# Altium PCB testjig-v1.PCBDOC (part 1 of 3) (continued)
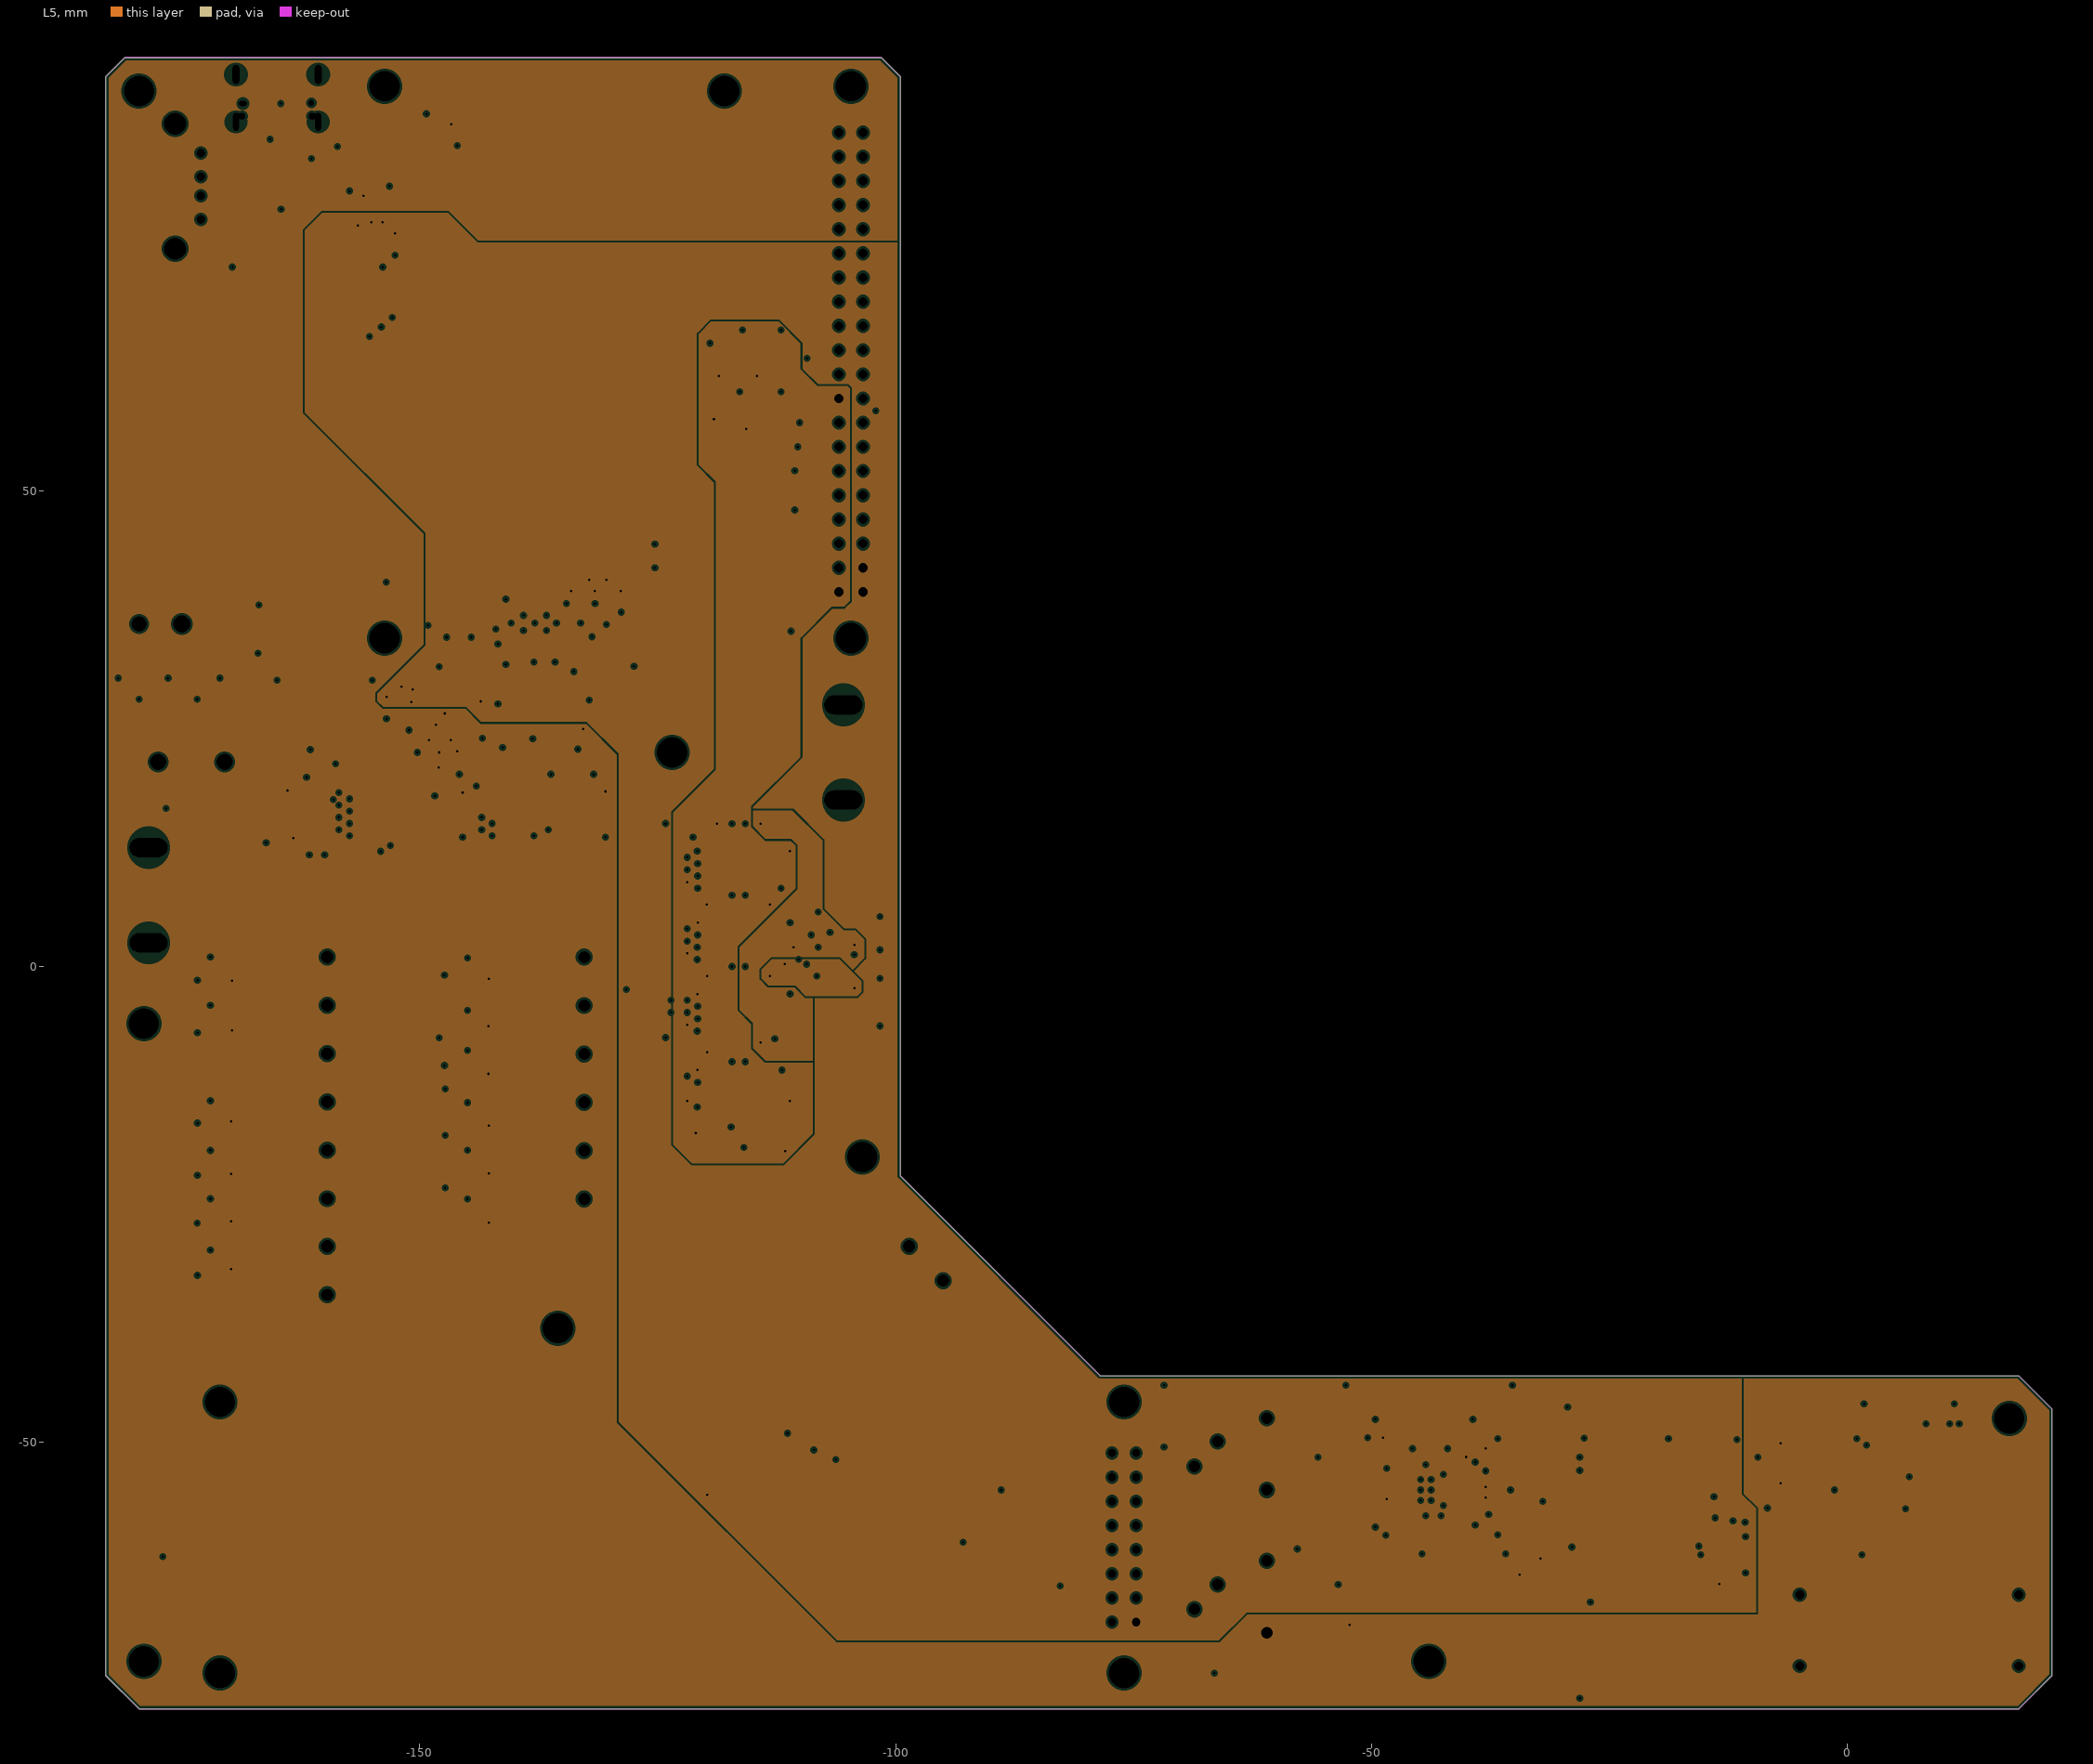
[diagram p3: L5, clearances drawn from the general rule]

## Layer stack, top to bottom
TopSolder: solder mask 0.0102, Solder Resist, Dk 3.5
L1: signal copper 0.045
Dielectric1: core 0.09, FR-4, Dk 4.3
L2: plane copper 0.0356, net GND
Dielectric4: prepreg 1.3, FR-4, Dk 4.3
L5: plane copper 0.0356, net (Multiple Nets)
Dielectric5: core 0.09, FR-4, Dk 4.2
L6: signal copper 0.045
BottomSolder: solder mask 0.0102, Solder Resist, Dk 3.5

## Board outline
-183,-74.5 -183,93.5 -181,95.5 -101.5,95.5 -99.5,93.5 -99.5,-22 -78.5,-43 18,-43 21.5,-46.5 21.5,-74.5 18,-78 -179.5,-78

## Design rules (kind name [scope] priority, off if disabled: settings)
BoardOutlineClearance [All] p1: gap=0.5 ignorepadtopadclearanceinfootprint=FALSE except(0: Arc-SplitContinuation Track-SplitContinuation SMDPad-SplitContinuation THPad-SplitContinuation Via-SplitContinuation Fill-SplitContinuation Poly-SplitContinuation Region-SplitContinuation Text-SplitContinuation)
Clearance Clearance_poly_Z [InPolygon vs InNetClass('B0_SE40') OR InNetClass('B1_SE40') OR InNetClass('B2_SE40') OR InNetClass('B3_SE40') OR InNetClass('SE40') OR InNetClass('SE45_HAX') OR InNetClass('ETH')] p1: gap=0.7 ignorepadtopadclearanceinfootprint=FALSE // polygon to impedance controlled line
Clearance Clearance_poly_diff [InPolygon vs (InDifferentialPairClass('All Differential Pairs'))] p2: gap=0.8 ignorepadtopadclearanceinfootprint=FALSE // Polygon to diff pair rule
Clearance "Basic Clearance_SE_Z" [(InNetClass('B0_SE40') OR InNetClass('B1_SE40') OR InNetClass('B2_SE40') OR InNetClass('B3_SE40') OR InNetClass('SE40') OR InNetClass('SE45_HAX'))] p3: gap=0.09 ignorepadtopadclearanceinfootprint=FALSE // basic clearance rule
Clearance Clearance_NPTH [(PadIsPlated = 'False') And (IsFree = 'True')] p4: gap=1.4 ignorepadtopadclearanceinfootprint=FALSE
Clearance Clearance_NPTH_1 [PadIsPlated = 'False'] p5: gap=0.3 ignorepadtopadclearanceinfootprint=FALSE
Clearance "Clearance_Edge Connector" [(InComponentClass('Edge Connector')) vs (InComponentClass('Edge Connector'))] p6: gap=0.2 ignorepadtopadclearanceinfootprint=FALSE except(0: Arc-Hole Track-Hole SMDPad-Hole THPad-Hole Via-Hole Fill-Hole Poly-Hole Region-Hole Text-Hole)
Clearance "Basic Clearance" [All] p7: gap=0.12 ignorepadtopadclearanceinfootprint=FALSE except(0.2: Arc-Poly Arc-Region Arc-Hole Track-Poly Track-Region Track-Hole SMDPad-Poly SMDPad-Region SMDPad-Hole THPad-Poly THPad-Region THPad-Hole Via-Poly Via-Region Via-Hole Fill-Poly Fill-Region Fill-Hole Poly-Poly Poly-Region Poly-Hole Region-Region Region-Hole Text-Hole) // basic clearance rule
Clearance Clearance_internal_plane [InPolygon] p8: gap=0.2 ignorepadtopadclearanceinfootprint=FALSE
ComponentClearance [All] p1 off: gap=0.254 collisioncheckmode=3 verticalgap=0.254 showdistances=FALSE
DiffPairsRouting DiffPairsRouting_PCIE [InDifferentialPairClass('PCIE')] p1: maxlimit=0.2 minlimit=0.14 mostfreqgap=0.14 toplayer_minwidth=0.1 toplayer_maxwidth=0.15 toplayer_prefwidth=0.13 bottomlayer_minwidth=0.1 bottomlayer_maxwidth=0.15 bottomlayer_prefwidth=0.13 maxuncoupledlength=12
DiffPairsRouting DiffPairsRouting_100DP [(InNetClass('HDMI_CNR') OR InNetClass('HDMI_TX'))] p2: maxlimit=0.25 minlimit=0.1 mostfreqgap=0.2 toplayer_minwidth=0.099 toplayer_maxwidth=0.18 toplayer_prefwidth=0.099 bottomlayer_minwidth=0.099 bottomlayer_maxwidth=0.18 bottomlayer_prefwidth=0.099 maxuncoupledlength=6 // 100 ohm DP rule
DiffPairsRouting DiffPairsRouting_90DP [InDifferentialPair('USB_D') OR InDifferentialPairClass('HAX_DP') OR InDifferentialPairClass('PCI_DP') OR InDifferentialPairClass('USB')] p3: maxlimit=0.25 minlimit=0.13 mostfreqgap=0.13 toplayer_minwidth=0.111 toplayer_maxwidth=0.225 toplayer_prefwidth=0.111 bottomlayer_minwidth=0.111 bottomlayer_maxwidth=0.225 bottomlayer_prefwidth=0.111 maxuncoupledlength=6 // 90 ohm diff pair
DiffPairsRouting DiffPairsRouting_80DP [InDifferentialPair('DDR3_CK') OR InDifferentialPair('DDR3_DQS0') OR InDifferentialPair('DDR3_DQS1') OR InDifferentialPair('DDR3_DQS2') OR InDifferentialPair('DDR3_DQS3') OR InDifferentialPair('REFCLK')] p4: maxlimit=0.25 minlimit=0.1 mostfreqgap=0.14 toplayer_minwidth=0.1 toplayer_maxwidth=0.235 toplayer_prefwidth=0.13 bottomlayer_minwidth=0.1 bottomlayer_maxwidth=0.235 bottomlayer_prefwidth=0.13 maxuncoupledlength=6 // 80ohm DP rule
DiffPairsRouting DiffPairsRouting_generic [All] p5: maxlimit=0.25 minlimit=0.2 mostfreqgap=0.2 toplayer_minwidth=0 toplayer_maxwidth=0.18 toplayer_prefwidth=0.1 bottomlayer_minwidth=0 bottomlayer_maxwidth=0.18 bottomlayer_prefwidth=0.1 maxuncoupledlength=6 // basic diff pair rule
FabricationTestPointUsage TestPointUsage [All] p1: valid=0 allowmultiple=FALSE
FabricationTestpoint Testpoint [All] p1: side=3 testpointundercomponent=TRUE minsize=1.016 maxsize=2.54 preferedsize=1.524 minholesize=0.508 maxholesize=1.016 preferedholesize=0.813 testpointgrid=0.025 allowsidetop=TRUE allowsidebottom=TRUE usegrid=TRUE gridtolerance=0
Height "PCI Express Mini, \"Component height constraints\", Page 18, bottom side" [OnBottomLayer] p1: minheight=0 maxheight=1.35 prefheight=1.35
Height "PCI Express Mini, \"Component height constraints\", Page 18, top side" [OnTopLayer] p2: minheight=0 maxheight=2.4 prefheight=2.4
Height "PCI Express, Page 84, \"Component Height Constraints\" for solder side" [OnBottomLayer] p3: minheight=0 maxheight=2.67 prefheight=2.67
Height "PCI Express, Page 84, \"Component Height Constraints\" for component side" [OnTopLayer] p4: minheight=0 maxheight=14.47 prefheight=14.47
HoleSize [All] p1: absolutevalues=TRUE maxlimit=3 minlimit=0.25 maxpercent=80.000 minpercent=20.000
HoleToHoleClearance [All] p1: gap=0.2 allowstackedmicrovias=TRUE
MatchedLengths MatchedLengths_DDR_CLOCKS_STROBES [InxSignalClass('ADDR_PP1_1') OR InxSignalClass('ADDR_PP2_1') OR InxSignalClass('DATA_BL0_1') OR InxSignalClass('DATA_BL1_1') OR InxSignalClass('DATA_BL2_1') OR InxSignalClass('DATA_BL3_1')] p1: tolerance=0.6 checknetsindiffpair=TRUE checkdiffpairvsdiffpair=FALSE checkxsignals=FALSE checkothers=FALSE
MatchedLengths MatchedLengths_DATA_BL3_1 [InxSignalClass('DATA_BL3_1')] p2: tolerance=5 checknetsindiffpair=FALSE checkdiffpairvsdiffpair=TRUE checkxsignals=TRUE checkothers=TRUE
MatchedLengths MatchedLengths_DATA_BL2_1 [InxSignalClass('DATA_BL2_1')] p3: tolerance=5 checknetsindiffpair=FALSE checkdiffpairvsdiffpair=TRUE checkxsignals=TRUE checkothers=TRUE
MatchedLengths MatchedLengths_DATA_BL1_1 [InxSignalClass('DATA_BL1_1')] p4: tolerance=5 checknetsindiffpair=FALSE checkdiffpairvsdiffpair=TRUE checkxsignals=TRUE checkothers=TRUE
MatchedLengths MatchedLengths_DATA_BL0_1 [InxSignalClass('DATA_BL0_1')] p5: tolerance=5 checknetsindiffpair=FALSE checkdiffpairvsdiffpair=TRUE checkxsignals=TRUE checkothers=TRUE
MatchedLengths MatchedLengths_ADDR_PP2_1 [InxSignalClass('ADDR_PP2_1')] p6: tolerance=6 checknetsindiffpair=FALSE checkdiffpairvsdiffpair=TRUE checkxsignals=TRUE checkothers=TRUE
MatchedLengths MatchedLengths_ADDR_PP1_1 [InxSignalClass('ADDR_PP1_1')] p7: tolerance=6 checknetsindiffpair=FALSE checkdiffpairvsdiffpair=TRUE checkxsignals=TRUE checkothers=TRUE
MinimumAnnularRing [All] p1: minimumring=0.05
MinimumSolderMaskSliver [All] p1: minsoldermaskwidth=0.07
PlaneClearance [All] p1: clearance=0.25
PlaneConnect [All] p1: planeconnectstyle=Direct reliefexpansion=0.508 reliefentries=4 reliefconductorwidth=0.254 reliefairgap=0.254
PolygonConnect [All] p1: thpad.connectstyle=Relief thpad.reliefconductorwidth=0.3 thpad.reliefentries=4 thpad.polygonreliefangle="90 Angle" thpad.airgapwidth=0.2 smdpad.connectstyle=Relief smdpad.reliefconductorwidth=0.3 smdpad.reliefentries=4 smdpad.polygonreliefangle="45 Angle" smdpad.airgapwidth=0.15 via.connectstyle=Direct via.reliefconductorwidth=0.25 via.reliefentries=4 via.polygonreliefangle="90 Angle" via.airgapwidth=0.15
RoomDefinition interfaces [InComponentClass('interfaces')] p1 off: confinementstyle=ConfineIn formatcopy=TRUE lockcomponents=FALSE outline -103,-36.8 198.999,-36.8 198.999,67.2 -103,67.2
RoomDefinition testcore [InComponentClass('testcore')] p2 off: confinementstyle=ConfineIn formatcopy=TRUE lockcomponents=FALSE outline -93,6.332 -87.5,6.332 -87.5,48.759 -93,48.759
RoutingTopology RoutingTopology_DDRAddressAndControls [InNetClass('DDR_AddressAndControls')] p1: topology=Daisy_Simple
RoutingTopology [All] p2: topology=Shortest
RoutingVias [All] p1: holewidth=0.25 width=0.5 viastyle="Through Hole" minholewidth=0.25 minwidth=0.5 maxholewidth=0.35 maxwidth=0.7
ShortCircuit ShortCircuit_mounting [InComponent('P10X') or InComponent('P11X') vs OnLayer('KeepOutLayer')] p1: allowed=TRUE
ShortCircuit [All] p2: allowed=FALSE
SilkToSilkClearance [All] p1 off: silktosilkclearance=0.254
SilkToSolderMaskClearance SilkscreenOverComponentPads [IsPad] p1 off: minsilkscreentomaskgap=0.254 clearancetoexposedcopper=TRUE
SolderMaskExpansion [All] p1: expansion=0.07 istentingtop=FALSE
SupplyNets SupplyNets_3 [InNet('VTT')] p1: voltage=750.0m
SupplyNets SupplyNets_2 [InNet('P1.5V_IO')] p2: voltage=1.500
SupplyNets SupplyNets_1 [InNet('P1.5V_D')] p3: voltage=1.500
SupplyNets [InNet('P1.5V')] p4: voltage=1.500
Width Width_45SE [(InNetClass('B0_SE40') OR InNetClass('B1_SE40') OR InNetClass('B2_SE40') OR InNetClass('B3_SE40') OR InNetClass('SE40') OR InNetClass('SE45_HAX'))] p1: maxlimit=2 minlimit=0.11 preferedwidth=0.12 minimp=50.000000 maximp=50.000000 favimp=50.000000 // 45 ohm SE rule
Width Width_basic [All] p2: maxlimit=5 minlimit=0.12 preferedwidth=0.15 minimp=50.000000 maximp=50.000000 favimp=50.000000
16 further rules are at their usual default settings.

## Classes and differential pairs
component class interfaces: C35 C36 C37 C38 C39 C40 C41 C42 C43 C44 C45 C46 C47 C48 NT1 NT2 P13 P14 P15 P16 P17 Q7 Q8 Q9 Q10 Q11 R60 R61 R63 R64 R65 R66 R67 R68 R69 R70 R71 R72 R73 R74 R75 R76 R77 U12 U13 U14 U15 U16
component class testcore: C1 C2 C3 C4 C5 C6 C7 C8 C9 C10 C11 C12 C13 C14 C15 C16 C17 C18 C19 C20 C21 C22 C23 C24 C25 C26 C27 C29 C30 C31 C32 C33 C34 D1 D2 D3 D4 D5 D6 D7 D8 D9 D10 D11 D12 D13 D14 D15 D16 D17 D18 D19 J1 JP1 L1 L2 NT10T P1 P3 P4 P5 P6 P7 P8 P9 P10 P11 P12 Q1 Q2 Q3 Q4 Q5 Q6 R1 R2 R3 R4 R5 R6 R7 R8 R9 R10 R11 R12 R13 R14 R15 R16 R17 R18 R19 R20 R21 R22 R23 R24 R25 R26 R27 R28 R29 R30 R31 R32 R33 R34 R35 R36 R37 R38 R39 R40 R41 R42 R43 R44 R45 R46 R47 R48 R49 R50 R51 R52 R53 R54 R55 R56 R57 R58 R59 R62 U1 U2 U3 U4 U5 U6 U7 U8 U9 U10 U11
differential pair USBC: +USBC_P -USBC_N

## Components (designator, comment, footprint, x,y, rotation, side; value= is the part's Value field where it differs from the comment)
C1 "0.1uF, 25V, X7R" B_CAP0603 -147.5,16 r270 top
C2 "10uF, 25V, X5R" B_CAP0805 -130.5,16 r270 top
C3 "22uF, 10V, X5R, 20%" B_CAP0805 -39.1,-56.4 r270 top
C4 "22uF, 10V, X5R, 20%" B_CAP0805 -39.1,-51.8 r270 top
C5 "22uF, 10V, X5R, 20%" B_CAP0805 -35.6,-50.9 r180 top
C6 "22uF, 10V, X5R, 20%" B_CAP0805 -35.6,-58.4 r180 top
C7 "10uF, 25V, X5R" B_CAP0805 -21.5,-49.6 r180 top
C8 "0.1uF, 25V, X7R" B_CAP0603 -12.7,-63.7 r0 top
C9 "0.1uF, 25V, X7R" B_CAP0603 -132.5,16 r270 top
C10 "10uF, 25V, X5R" B_CAP0805 -145.5,16 r270 top
C11 "0.1uF, 25V, X7R" B_CAP0603 -8.4,-50.9 r270 top
C12 "0.1uF, 25V, X7R" B_CAP0603 -8.4,-55.1 r270 top
C13 "10uF, 25V, X5R" B_CAP0805 -172.7,14.3 r180 top
C14 "DNP" B_CAP0603 -137.9,20.2 r0 top
C15 "10uF, 25V, X5R" B_CAP0805 -173.6,92.4 r0 top
C16 "10uF, 25V, X5R" B_CAP0805 -153.9,75.88 r90 top
C17 "10uF, 25V, X5R" B_CAP0805 -159.8,81.5 r180 top
C18 "0.1uF, 25V, X7R" B_CAP0603 -148.5,88.5 r180 top
C19 "0.1uF, 25V, X7R" B_CAP0603 -155.1,82 r0 top
C20 "DNP" B_CAP0603 -144,20.2 r180 top
C21 "10pF, 50V, NP0" B_CAP0603 -139.3,29 r180 top
C22 "47uF, 25V, 20%" CAPAE7066X61N -165,35.5 r270 top
C23 "10uF, 25V, X5R" B_CAP0805 -147.2,37 r90 top
C24 "10uF, 25V, X5R" B_CAP0805 -144.6,37 r90 top
C25 "0.1uF, 25V, X7R" B_CAP0603 -142,37.5 r270 top
C26 "10uF, 25V, X5R" B_CAP0805 -151.93,27.2 r270 top
C27 "10uF, 25V, X5R" B_CAP0805 -149.1,23.8 r180 top
C29 "0.033uF, 50V, X7R" B_CAP0603 -143.43,25.85 r90 top
C30 "0.1uF, 25V, X7R" B_CAP0603 -139.6,42.5 r270 top
C31 "22uF, 10V, X5R, 20%" B_CAP0805 -133,38.3 r270 top
C32 "22uF, 10V, X5R, 20%" B_CAP0805 -130.4,38.3 r270 top
C33 "3300pF, 50V, X7R" B_CAP0603 -133.8,34.1 r90 top
C34 "1.0uF, 16V, X5R" B_CAP0603 -135.8,31 r0 top
C35 "10uF, 25V, X5R" B_CAP0805 -110.5,-1 r0 top
C36 "10uF, 25V, X5R" B_CAP0805 -110.5,2.025 r0 top
C37 "0.1uF, 25V, X7R" B_CAP0603 6.1,-58.975 r90 top
C38 "10uF, 25V, X5R" B_CAP0805 -111,38 r270 top
C39 "0.1uF, 25V, X7R" B_CAP0603 -118,-9 r0 top
C40 "0.1uF, 25V, X7R" B_CAP0603 -118,-1 r0 top
C41 "0.1uF, 25V, X7R" B_CAP0603 -118,6.5 r0 top
C42 "0.1uF, 25V, X7R" B_CAP0603 -118,14 r0 top
C43 "0.1uF, 25V, X7R" B_CAP0603 -49.6,-50.65 r180 top
C44 "0.1uF, 25V, X7R" B_CAP0603 -115,6.5 r180 top
C45 "0.1uF, 25V, X7R" B_CAP0603 -115,-1 r180 top
C46 "0.1uF, 25V, X7R" B_CAP0603 -115,-9 r180 top
C47 "0.1uF, 25V, X7R" B_CAP0603 -115,14 r180 top
C48 "10uF, 25V, X5R" B_CAP0805 -69,-74.25 r0 top
D1 "CSA2K-E3/I" DSO-C2/X1.8 -21.5,-60.2 r180 top
D2 "CSA2K-E3/I" DSO-C2/X1.8 -21.5,-56.6 r0 top
D3 "CSA2K-E3/I" DSO-C2/X1.8 -21.5,-63.9 r0 top
D4 "CSA2K-E3/I" DSO-C2/X1.8 -21.5,-53 r180 top
D5 "B340A-13-F" DSO-C2/X1.8 -30.2,-63.9 r180 top
D6 "NSR0530HT1G" SOD-323 -170.86,-20.6 r270 top
D7 "NSR0530HT1G" SOD-323 -134,26 r0 top
D8 "NSR0530HT1G" SOD-323 -170.86,-25.6 r270 top
D9 "NSR0530HT1G" SOD-323 -143.79,-25.725 r270 top
D10 "NSR0530HT1G" SOD-323 -170.86,-15.1 r270 top
D11 "NSR0530HT1G" SOD-323 -143.86,-10.1 r270 top
D12 "NSR0530HT1G" SOD-323 -170.79,-0.3 r270 top
D13 "NSR0530HT1G" SOD-323 -143.79,-15.55 r270 top
D14 "NSR0530HT1G" SOD-323 -170.79,-5.55 r270 top
D15 "NSR0530HT1G" SOD-323 -143.86,-0.1 r270 top
D16 "NSR0530HT1G" SOD-323 -143.79,-20.55 r270 top
D17 "NSR0530HT1G" SOD-323 -143.86,-5.1 r270 top
D18 "NSR0530HT1G" SOD-323 -170.86,-30.6 r270 top
D19 "white LED" B_LED0805 -180,-64 r90 top
J1 "CUI SJ-43515TS-SMT" CUI_SJ_43515TS-SMT -177.5,21.5 r180 top
JP1 "2.1mm x 5.5mm DC jack" CUI_PJ_002AH_SMT -175,36 r0 top
L1 "1.0uH SRP4030FA-1R0M" COILCRAFT_XEL4030 -35.5,-55 r0 top
L2 "3.3uH SRP4030FA-3R3M" COILCRAFT_XEL4030 -136,42.8 r0 top
P1 "1716060000" weidmuller_1716060000 -95,-33 r135 top
P3 "AUK USB-1X04-SR-BK-S-H" USB_TYPEA_TH_SINGLE -173,82 r270 top
P4 "1716060000" weidmuller_1716060000 -159.72,-34.5 r90 top
P5 "1716060000" weidmuller_1716060000 -159.72,-24.4 r90 top
P6 "1716060000" weidmuller_1716060000 -159.72,-14.24 r90 top
P7 "USB Type C Female Connector" HIROSE_CX90B1-24P -165,90.75 r180 top
P8 "1716060000" weidmuller_1716060000 -159.72,-4.08 r90 top
P9 "1716060000" weidmuller_1716060000 -132.72,-24.42 r90 top
P10 "1716060000" weidmuller_1716060000 -132.72,-14.26 r90 top
P11 "1716060000" weidmuller_1716060000 -132.72,-4.1 r90 top
P12 "SW-NO" CK_KS11R22CQD -61,-55 r0 top
P13 "Male 2.54mm 8x2 shrouded header" ER_OLED_M032_1 -76,-60 r0 top
P14 "SW-NO" CK_KS11R22CQD -61,-70 r0 top
P15 "26-pin FPC" HRS_FH34SRJ-26S-0.5SH(50) 5.5,-47 r180 top
P16 "26-pin FPC" HRS_FH34SRJ-26S-0.5SH(50) -103,0 r90 top
P17 "Header 20X2" SAMTEC_SSW-120-01-F-D -103.43,39.37 r90 top
Q1 "Si8425DB" VISHAY_MICRO_FOOT_4_BUMP -32.4,-59.3 r270 top
Q2 "DMG1012UW-7" SOT323-3AN -30.2,-52.3 r180 top
Q3 "DMG1012UW-7" SOT323-3AN -28.3,-47.4 r90 top
Q4 "Si8425DB" VISHAY_MICRO_FOOT_4_BUMP -160.8,75.18 r180 top
Q5 "Si8425DB" VISHAY_MICRO_FOOT_4_BUMP -160.8,78.28 r180 top
Q6 "DMG1012UW-7" SOT323-3AN -166.35,75.43 r0 top
Q7 "DMG1012UW-7" SOT323-3AN -117.05,65.5 r180 top
Q8 "DMG1012UW-7" SOT323-3AN -113,65.5 r180 top
Q9 "DMG1012UW-7" SOT323-3AN -117.5,59 r180 top
Q10 "DMG1012UW-7" SOT323-3AN -113,59 r180 top
Q11 "DMG1012UW-7" SOT323-3AN -115,-17.5 r0 top
R1 "22 Ohm 1%" B_RES1206 -26.9,-58.2 r90 top
R2 "10k, 1%" B_RES0603 -56.7,-52.35 r90 top
R3 "100 mOhm 1%" B_RES1206 -29.6,-58.2 r90 top
R4 "100k, 1%" B_RES0603 -24.6,-66.8 r180 top
R5 "100k, 1%" B_RES0603 -49.6,-56.9 r90 top
R6 "523k, 1%" B_RES0603 -51.4,-56.9 r270 top
R7 "10k, 1%" B_RES0603 -31.9,-49.5 r0 top
R8 "383k, 1%" B_RES0603 -46.5,-59.7 r180 top
R9 "1M, 1%" B_RES0603 -49.6,-53.2 r90 top
R10 "4.7k, 1%" B_RES0603 -53.3,-56.9 r270 top
R11 "4.7k, 1%" B_RES0603 -27,-52.3 r270 top
R12 "1M, 1%" B_RES0603 -51.4,-53.2 r270 top
R13 "100k, 1%" B_RES0603 -31.9,-46.3 r0 top
R14 "5.1k, 1%" B_RES0603 -164,14.5 r0 top
R15 "5.1k, 1%" B_RES0603 -168,14.5 r0 top
R16 "100k, 1%" B_RES0603 -15.1,-54.975 r270 top
R17 "100 ohm" B_RES0603 -168,13 r180 top
R18 "0 ohm" B_RES0603 -137.9,22 r180 top
R19 "10k, 1%" B_RES0603 -160,13.6 r90 top
R20 "10k, 1%" B_RES0603 -161.6,13.6 r90 top
R21 "10k, 1%" B_RES0603 -160.7,21.3 r180 top
R22 "100k, 1%" B_RES0603 -167.86,-19.32 r180 top
R23 "10k, 1%" B_RES0603 -173.36,-20.1 r270 top
R24 "33k, 1%" B_RES0603 -134.2,24 r180 top
R25 "10k, 1%" B_RES0603 -134,28 r0 top
R26 "100 mOhm 1%" B_RES1206 -164.8,81.5 r180 top
R27 "100k, 1%" B_RES0603 -167.86,-24.4 r180 top
R28 "10k, 1%" B_RES0603 -173.36,-25.1 r270 top
R29 "10k, 1%" B_RES0603 -140.79,-24.42 r180 top
R30 "DNP" B_RES0603 -146.29,-24.05 r90 top
R31 "100k, 1%" B_RES0603 -165.375,78.5 r0 top
R32 "100k, 1%" B_RES0603 -156.5,75.98 r90 top
R33 "10k, 1%" B_RES0603 -167.86,-14.1 r180 top
R34 "10k, 1%" B_RES0603 -173.36,-14.6 r270 top
R35 "10k, 1%" B_RES0603 -140.64,-9.18 r180 top
R36 "DNP" B_RES0603 -146.36,-9.6 r270 top
R37 "4.7k, 1%" B_RES0603 -169.7,75.43 r90 top
R38 "10k, 1%" B_RES0603 -167.86,1 r180 top
R39 "DNP" B_RES0603 -173.36,0.4 r270 top
R40 "10k, 1%" B_RES0603 -140.79,-14.3 r180 top
R41 "DNP" B_RES0603 -146.29,-13.66 r90 top
R42 "100k, 1%" B_RES0603 -152.5,85 r90 top
R43 "10k, 1%" B_RES0603 -167.86,-4.08 r180 top
R44 "10k, 1%" B_RES0603 -173.36,-5.1 r270 top
R45 "10k, 1%" B_RES0603 -140.56,0.9 r180 top
R46 "DNP" B_RES0603 -146.36,-0.1 r270 top
R47 "5.1k, 1%" B_RES0603 -163.375,84.9 r180 top
R48 "0 ohm" B_RES0603 -141.3,21 r270 top
R49 "10k, 1%" B_RES0603 -140.79,-19.3 r180 top
R50 "DNP" B_RES0603 -146.29,-18.55 r90 top
R51 "10k, 1%" B_RES0603 -140.56,-4.6 r180 top
R52 "DNP" B_RES0603 -146.36,-5.1 r270 top
R53 "124k, 1%" B_RES0603 -139.3,31 r0 top
R54 "33k, 1%" B_RES0603 -167.86,-29.42 r180 top
R55 "10k, 1%" B_RES0603 -173.36,-30.6 r270 top
R56 "DNP" B_RES0603 -149.95,20.2 r0 top
R57 "22.1k, 1%" B_RES0603 -141.8,29.4 r90 top
R58 "510, 1%" B_RES0603 -177,-64.2 r90 top value=100k
R59 "DNP" B_RES0603 -133.8,20.2 r0 top
R60 "4.7k, 1%" B_RES0603 -85.066,-39.434 r135 top
R61 "4.7k, 1%" B_RES0603 -86.5,-41 r135 top